# Altium PCB Velvet_Controller_v1.1_2022.PcbDoc (part 2 of 3) (continued)
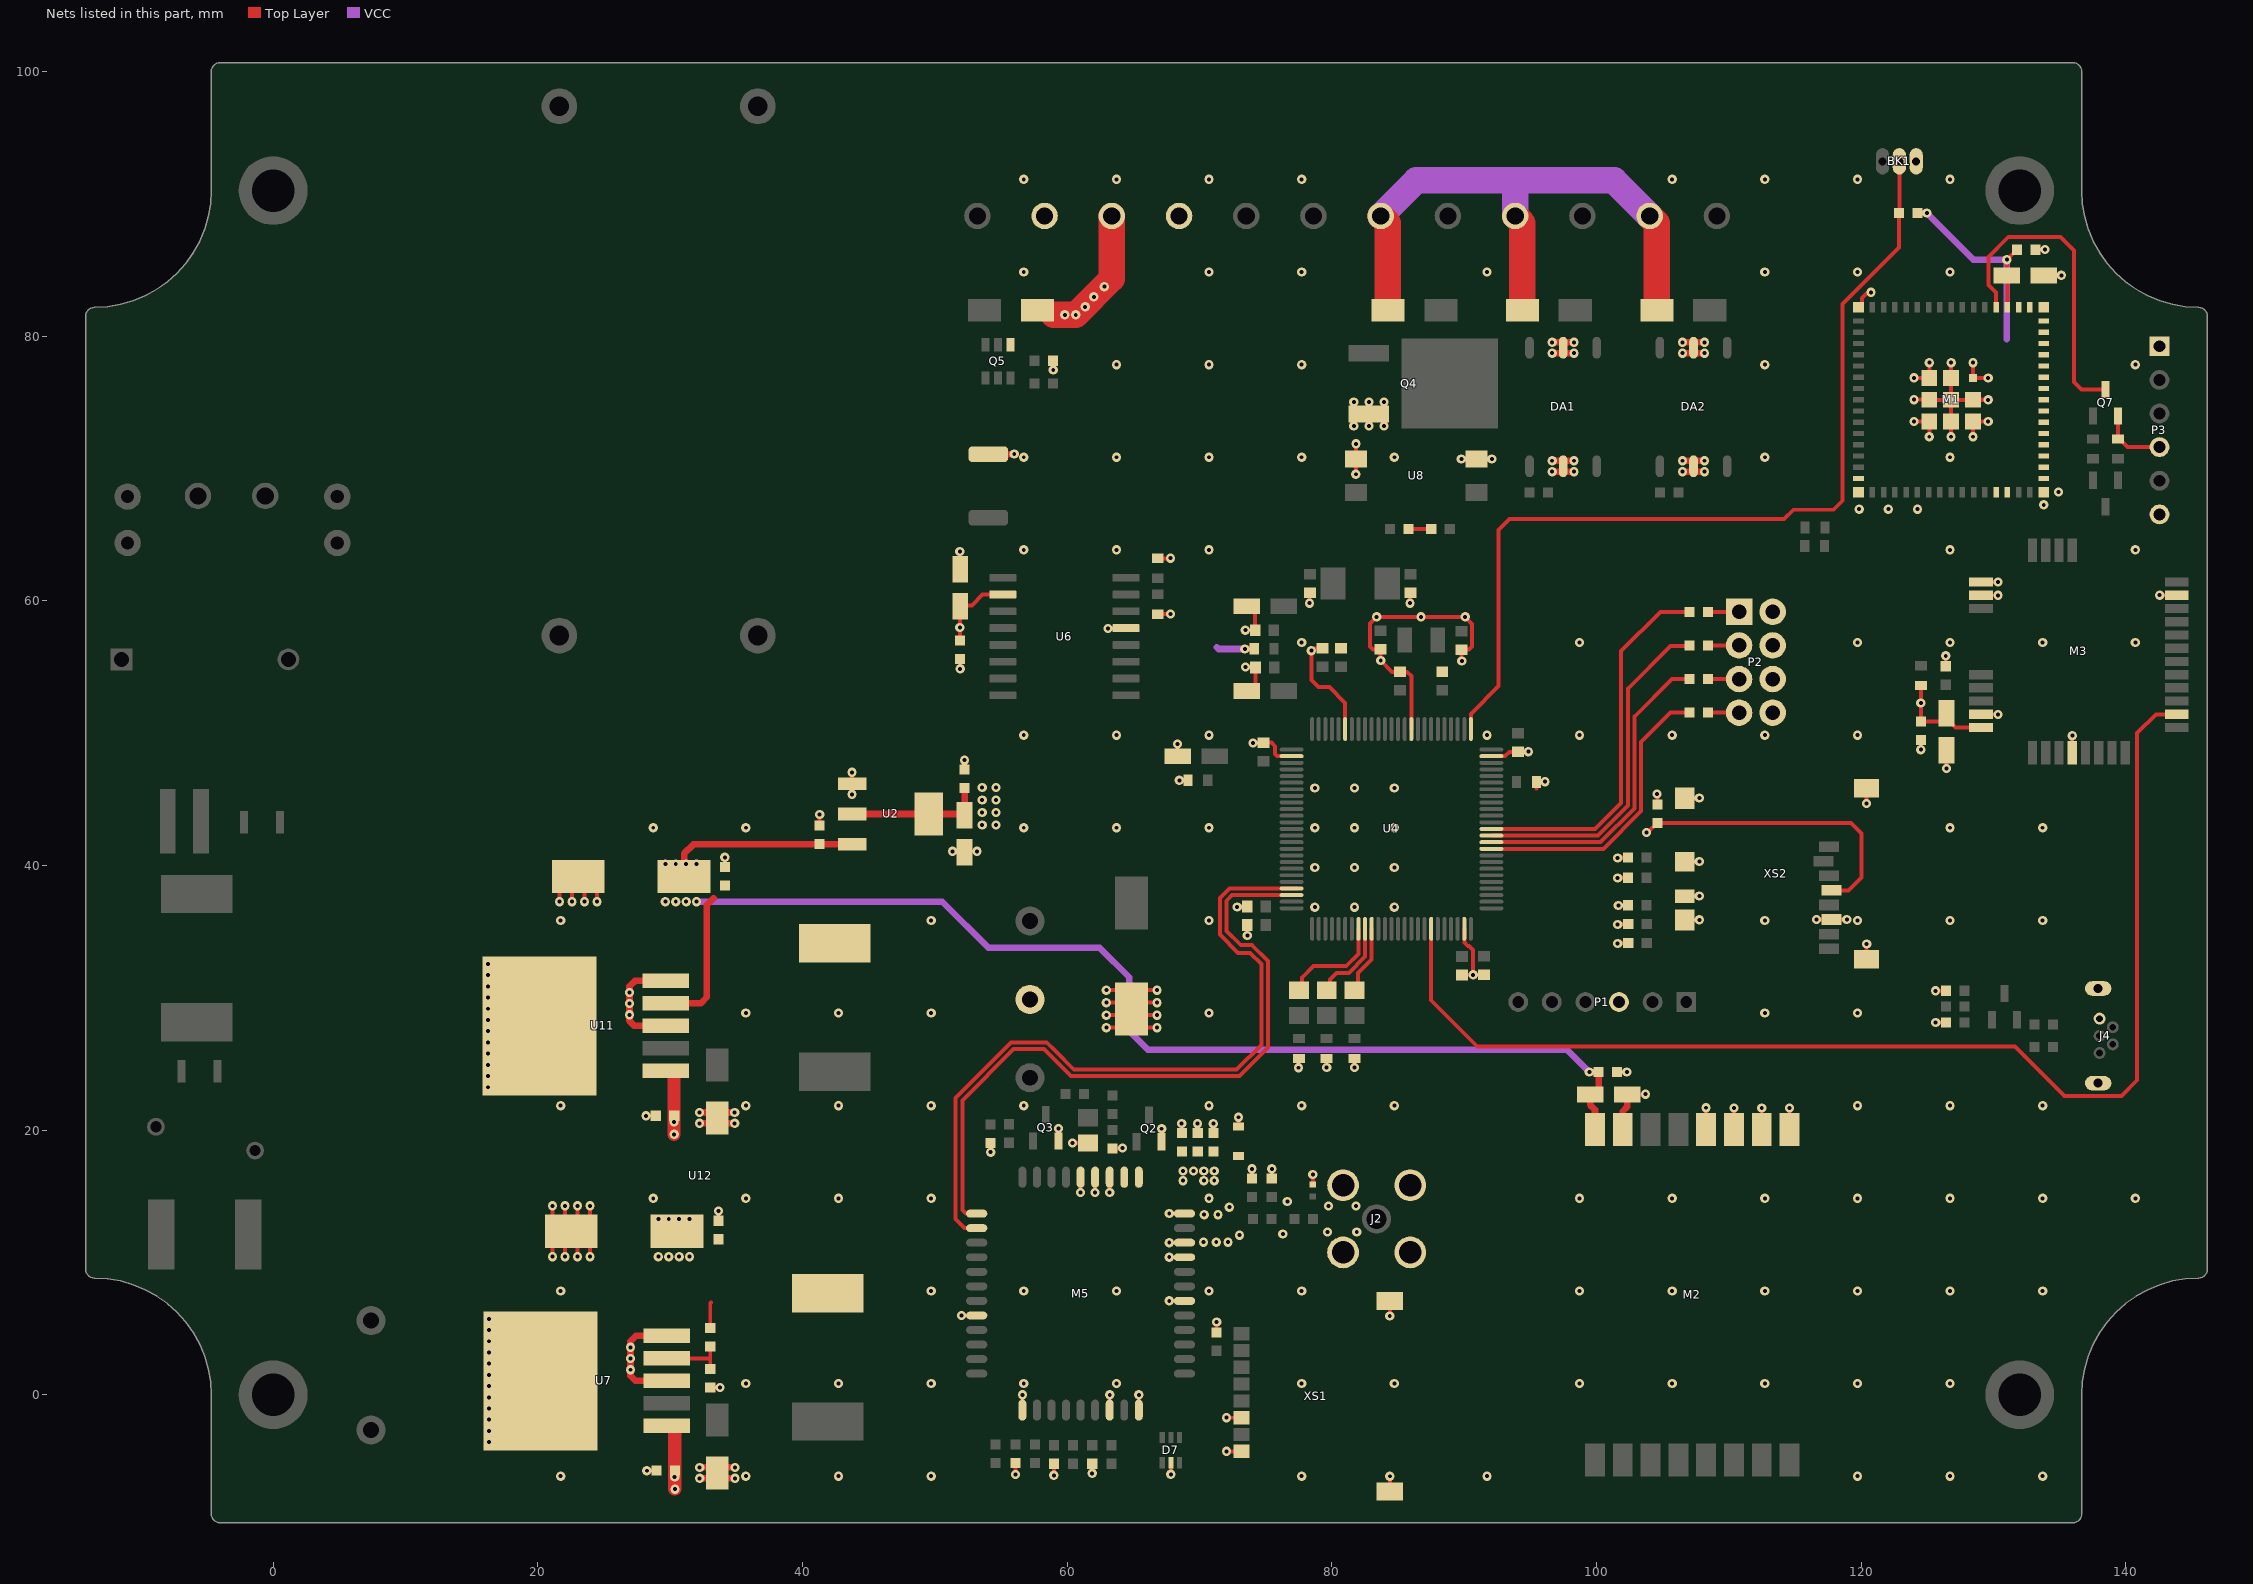
[diagram p4: the nets of this part, all layers, seen from the top]
## Part data (continued)
R6 R8 R9 R58 R59 R60 R61: library part 1, "Chip Resistor", Case/Package=0603, Case Code (Metric)=1608, Manufacturer=Panasonic, Manufacturer Part Number=ERJ-3EKF3300V, Max Operating Temperature=155°C, Max Power Dissipation=100mW, Min Operating Temperature=-55°C, Resistance=330R, Supplier Part Number 1=P330HDKR-ND, Temperature Coefficient=100ppm/°C, Tolerance=1%, Voltage Rating=75V, Case Code (Imperial)=0603, ComponentLink1Description=http://industrial.panasonic.com/www-cgi/jvcr13pz.cgi?E+PZ+3+AOA0002+ERJ6ENF3000V+7+WW, ComponentLink1URL=http://industrial.panasonic.com/www-cgi/jvcr13pz.cgi?E+PZ+3+AOA0002+ERJ6ENF3000V+7+WW, ComponentLink2Description=https://datasheet.ciiva.com/7886/aoa0000ce2-7886729.pdf, ComponentLink2URL=https://datasheet.ciiva.com/7886/aoa0000ce2-7886729.pdf, ComponentLink3Description=https://datasheet.ciiva.com/48531/aoa0000ce2-48531001.pdf, ComponentLink3URL=https://datasheet.ciiva.com/48531/aoa0000ce2-48531001.pdf, ComponentLink4Description=https://datasheet.ciiva.com/22721/426256-22721099.pdf, ComponentLink4URL=https://datasheet.ciiva.com/22721/426256-22721099.pdf, ComponentLink5Description=https://datasheet.ciiva.com/46373/1678782-46373899.pdf, ComponentLink5URL=https://datasheet.ciiva.com/46373/1678782-46373899.pdf, ComponentLink6Description=https://datasheet.ciiva.com/9117/aoa0000ce2-9117132.pdf, ComponentLink6URL=https://datasheet.ciiva.com/9117/aoa0000ce2-9117132.pdf, ComponentLink7Description=https://datasheet.ciiva.com/46373/1678782-46373900.pdf, ComponentLink7URL=https://datasheet.ciiva.com/46373/1678782-46373900.pdf, Composition="Thick Film", Contact Plating=Tin, Depth=0.8mm, Features="Automotive AEC-Q200", Height=0.022inch, Lead Free="Lead Free", Length=1.6mm, Military Standard=Not, Mount="Surface Mount", Number of Pins=2, Number of Terminations=2, Package Quantity=1, Packaging="Tape and Reel", Power Rating=100mW, Pricing 1="1=0.1, 10=0.079, 100=0.0323, 1000=0.01449, 2500=0.01258 (USD)", Radiation Hardening=No, REACH SVHC="No SVHC", Stock 1=924496, Supplier 1=Digi-Key, Termination=SMD/SMT, Voltage Rating (DC)=75V, Weight=7.1E-05oz, Width=0.8mm
R10: library part 1, "Chip Resistor", Case/Package=0603, Case Code (Metric)=1608, Manufacturer=Panasonic, Manufacturer Part Number=ERJ-3GEYJ103V, Max Operating Temperature=155°C, Max Power Dissipation=100mW, Min Operating Temperature=-55°C, Resistance="47 k", Supplier Part Number 1=P10KGDKR-ND, Temperature Coefficient=200ppm/°C, Tolerance=5%, Voltage Rating=75V, Voltage Rating (DC)=50V, Case Code (Imperial)=0603, ComponentLink1Description=https://datasheet.ciiva.com/34303/2007265-34303757.pdf, ComponentLink1URL=https://datasheet.ciiva.com/34303/2007265-34303757.pdf, ComponentLink2Description=https://datasheet.ciiva.com/11809/0900766b80f806dd-11809566.pdf, ComponentLink2URL=https://datasheet.ciiva.com/11809/0900766b80f806dd-11809566.pdf, ComponentLink3Description=https://datasheet.ciiva.com/28514/1678796-28514213.pdf, ComponentLink3URL=https://datasheet.ciiva.com/28514/1678796-28514213.pdf, ComponentLink4Description=https://datasheet.ciiva.com/30147/4aoa0000ce1-30147029.pdf, ComponentLink4URL=https://datasheet.ciiva.com/30147/4aoa0000ce1-30147029.pdf, ComponentLink5Description=https://datasheet.ciiva.com/46371/1678796-46371909.pdf, ComponentLink5URL=https://datasheet.ciiva.com/46371/1678796-46371909.pdf, ComponentLink6Description=https://datasheet.ciiva.com/24133/aoa0000ce1-37422-24133064.pdf, ComponentLink6URL=https://datasheet.ciiva.com/24133/aoa0000ce1-37422-24133064.pdf, ComponentLink7Description=https://datasheet.ciiva.com/46385/1678796-46385240.pdf, ComponentLink7URL=https://datasheet.ciiva.com/46385/1678796-46385240.pdf, ComponentLink8Description=https://datasheet.ciiva.com/17212/aoa0000ce1-17212106.pdf, ComponentLink8URL=https://datasheet.ciiva.com/17212/aoa0000ce1-17212106.pdf, ComponentLink9Description=https://datasheet.ciiva.com/9117/aoa0000ce1-9117038.pdf, ComponentLink9URL=https://datasheet.ciiva.com/9117/aoa0000ce1-9117038.pdf, ComponentLink10Description=https://datasheet.ciiva.com/16740/aoa0000ce1-16740655.pdf, ComponentLink10URL=https://datasheet.ciiva.com/16740/aoa0000ce1-16740655.pdf, ComponentLink11Description=https://datasheet.ciiva.com/48531/aoa0000ce1-48531887.pdf, ComponentLink11URL=https://datasheet.ciiva.com/48531/aoa0000ce1-48531887.pdf, Composition="Thick Film", Contact Plating=Tin, Depth=0.8mm, Features="Automotive AEC-Q200", Height=0.45mm, Lead Free="Lead Free", Length=1.6mm, Military Standard=Not, Mount="Surface Mount", Number of Terminations=2, Package Quantity=1, Packaging="Tape and Reel", Power Rating=100mW, Pricing 1="1=0.1, 10=0.054, 100=0.022, 1000=0.00988, 2500=0.00858 (USD)", REACH SVHC="No SVHC", Stock 1=10740434, Supplier 1=Digi-Key, Termination=SMD/SMT, Weight=7.1E-05oz, Width=0.8mm, Working Voltage=75V
R11 R18: library part 1, "Res Thkflm Anti-sulfurated 0603 100K Ohm 5% SMD", Case Code (Imperial)=0603, Case Code (Metric)=1608, Current Rating=1A, Manufacturer=Panasonic, Manufacturer Part Number=ERJ-U03J104V, Max Operating Temperature=155°C, Min Operating Temperature=-55°C, Package Quantity=5000, Power Rating=100mW, Resistance=12K, Resistor Type="Thick Film", Supplier Part Number 1=10-ERJ-U03J104VCT-ND, Tolerance=5%, Voltage Rating=75V, Case/Package=0603, Category="Chip SMD Resistors", ComponentLink1Description=http://industrial.panasonic.com/www-cgi/jvcr13pz.cgi?E+PZ+3+AOA0005+ERJS06J821V+7+WW?src-supplier=Mouser, ComponentLink1URL=http://industrial.panasonic.com/www-cgi/jvcr13pz.cgi?E+PZ+3+AOA0005+ERJS06J821V+7+WW?src-supplier=Mouser, ComponentLink2Description=http://datasheet.octopart.com/ERJ-U03J104V-Panasonic-datasheet-61627662.pdf?src-supplier=Newark, ComponentLink2URL=http://datasheet.octopart.com/ERJ-U03J104V-Panasonic-datasheet-61627662.pdf?src-supplier=Newark, ComponentLink3Description=http://datasheet.octopart.com/ERJ-U03J104V-Panasonic-datasheet-33006993.pdf?src-supplier=Newark, ComponentLink3URL=http://datasheet.octopart.com/ERJ-U03J104V-Panasonic-datasheet-33006993.pdf?src-supplier=Newark, ComponentLink4Description=http://datasheet.octopart.com/ERJ-U03J104V-Panasonic-datasheet-78375410.pdf, ComponentLink4URL=http://datasheet.octopart.com/ERJ-U03J104V-Panasonic-datasheet-78375410.pdf, Height=0.45mm, Length=1.6mm, Packaging="Tape and Reel", Pricing 1="1=0,10000, 10=0,07700, 100=0,02950, 1000=0,01298, 2500=0,01121 (USD)", Stock 1=1856, Supplier 1=Digi-Key, Termination=SMD/SMT, Voltage Rating (DC)=75V, Weight=7.1E-05oz, Width=0.8mm
R12 R27: library part 1, "Chip Resistor", Case/Package=0603, Case Code (Metric)=1608, Manufacturer=Panasonic, Manufacturer Part Number=ERJ-3EKF3300V, Max Operating Temperature=155°C, Max Power Dissipation=100mW, Min Operating Temperature=-55°C, Resistance=4.7k, Supplier Part Number 1=P330HDKR-ND, Temperature Coefficient=100ppm/°C, Tolerance=1%, Voltage Rating=75V, Case Code (Imperial)=0603, ComponentLink1Description=http://industrial.panasonic.com/www-cgi/jvcr13pz.cgi?E+PZ+3+AOA0002+ERJ6ENF3000V+7+WW, ComponentLink1URL=http://industrial.panasonic.com/www-cgi/jvcr13pz.cgi?E+PZ+3+AOA0002+ERJ6ENF3000V+7+WW, ComponentLink2Description=https://datasheet.ciiva.com/7886/aoa0000ce2-7886729.pdf, ComponentLink2URL=https://datasheet.ciiva.com/7886/aoa0000ce2-7886729.pdf, ComponentLink3Description=https://datasheet.ciiva.com/48531/aoa0000ce2-48531001.pdf, ComponentLink3URL=https://datasheet.ciiva.com/48531/aoa0000ce2-48531001.pdf, ComponentLink4Description=https://datasheet.ciiva.com/22721/426256-22721099.pdf, ComponentLink4URL=https://datasheet.ciiva.com/22721/426256-22721099.pdf, ComponentLink5Description=https://datasheet.ciiva.com/46373/1678782-46373899.pdf, ComponentLink5URL=https://datasheet.ciiva.com/46373/1678782-46373899.pdf, ComponentLink6Description=https://datasheet.ciiva.com/9117/aoa0000ce2-9117132.pdf, ComponentLink6URL=https://datasheet.ciiva.com/9117/aoa0000ce2-9117132.pdf, ComponentLink7Description=https://datasheet.ciiva.com/46373/1678782-46373900.pdf, ComponentLink7URL=https://datasheet.ciiva.com/46373/1678782-46373900.pdf, Composition="Thick Film", Contact Plating=Tin, Depth=0.8mm, Features="Automotive AEC-Q200", Height=0.022inch, Lead Free="Lead Free", Length=1.6mm, Military Standard=Not, Mount="Surface Mount", Number of Pins=2, Number of Terminations=2, Package Quantity=1, Packaging="Tape and Reel", Power Rating=100mW, Pricing 1="1=0.1, 10=0.079, 100=0.0323, 1000=0.01449, 2500=0.01258 (USD)", Radiation Hardening=No, REACH SVHC="No SVHC", Stock 1=924496, Supplier 1=Digi-Key, Termination=SMD/SMT, Voltage Rating (DC)=75V, Weight=7.1E-05oz, Width=0.8mm
R13: library part 1, "Chip Resistor", Case/Package=0603, Case Code (Metric)=1608, Manufacturer=Panasonic, Manufacturer Part Number=ERJ-3EKF3300V, Max Operating Temperature=155°C, Max Power Dissipation=100mW, Min Operating Temperature=-55°C, Resistance=47k, Supplier Part Number 1=P330HDKR-ND, Temperature Coefficient=100ppm/°C, Tolerance=1%, Voltage Rating=75V, Case Code (Imperial)=0603, ComponentLink1Description=http://industrial.panasonic.com/www-cgi/jvcr13pz.cgi?E+PZ+3+AOA0002+ERJ6ENF3000V+7+WW, ComponentLink1URL=http://industrial.panasonic.com/www-cgi/jvcr13pz.cgi?E+PZ+3+AOA0002+ERJ6ENF3000V+7+WW, ComponentLink2Description=https://datasheet.ciiva.com/7886/aoa0000ce2-7886729.pdf, ComponentLink2URL=https://datasheet.ciiva.com/7886/aoa0000ce2-7886729.pdf, ComponentLink3Description=https://datasheet.ciiva.com/48531/aoa0000ce2-48531001.pdf, ComponentLink3URL=https://datasheet.ciiva.com/48531/aoa0000ce2-48531001.pdf, ComponentLink4Description=https://datasheet.ciiva.com/22721/426256-22721099.pdf, ComponentLink4URL=https://datasheet.ciiva.com/22721/426256-22721099.pdf, ComponentLink5Description=https://datasheet.ciiva.com/46373/1678782-46373899.pdf, ComponentLink5URL=https://datasheet.ciiva.com/46373/1678782-46373899.pdf, ComponentLink6Description=https://datasheet.ciiva.com/9117/aoa0000ce2-9117132.pdf, ComponentLink6URL=https://datasheet.ciiva.com/9117/aoa0000ce2-9117132.pdf, ComponentLink7Description=https://datasheet.ciiva.com/46373/1678782-46373900.pdf, ComponentLink7URL=https://datasheet.ciiva.com/46373/1678782-46373900.pdf, Composition="Thick Film", Contact Plating=Tin, Depth=0.8mm, Features="Automotive AEC-Q200", Height=0.022inch, Lead Free="Lead Free", Length=1.6mm, Military Standard=Not, Mount="Surface Mount", Number of Pins=2, Number of Terminations=2, Package Quantity=1, Packaging="Tape and Reel", Power Rating=100mW, Pricing 1="1=0.1, 10=0.079, 100=0.0323, 1000=0.01449, 2500=0.01258 (USD)", Radiation Hardening=No, REACH SVHC="No SVHC", Stock 1=924496, Supplier 1=Digi-Key, Termination=SMD/SMT, Voltage Rating (DC)=75V, Weight=7.1E-05oz, Width=0.8mm
R14: library part 1, "Chip Resistor", Case/Package=0603, Case Code (Metric)=1608, Manufacturer=Panasonic, Manufacturer Part Number=ERJ-3GEYJ222V, Max Operating Temperature=155°C, Max Power Dissipation=100mW, Min Operating Temperature=-55°C, Resistance=300, Supplier Part Number 1=P2.2KGDKR-ND, Temperature Coefficient=200ppm/°C, Tolerance=5%, Voltage Rating=75V, Voltage Rating (DC)=50V, Case Code (Imperial)=0603, ComponentLink1Description=https://datasheet.ciiva.com/11821/0900766b80f806dd-11821453.pdf, ComponentLink1URL=https://datasheet.ciiva.com/11821/0900766b80f806dd-11821453.pdf, ComponentLink2Description=https://datasheet.ciiva.com/34303/1988639-34303614.pdf, ComponentLink2URL=https://datasheet.ciiva.com/34303/1988639-34303614.pdf, ComponentLink3Description=https://datasheet.ciiva.com/16760/70255313-16760341.pdf, ComponentLink3URL=https://datasheet.ciiva.com/16760/70255313-16760341.pdf, ComponentLink4Description=https://datasheet.ciiva.com/9117/aoa0000ce1-9117127.pdf, ComponentLink4URL=https://datasheet.ciiva.com/9117/aoa0000ce1-9117127.pdf, ComponentLink5Description=https://datasheet.ciiva.com/46380/1500035-46380411.pdf, ComponentLink5URL=https://datasheet.ciiva.com/46380/1500035-46380411.pdf, ComponentLink6Description=https://datasheet.ciiva.com/16765/70255313-16765244.pdf, ComponentLink6URL=https://datasheet.ciiva.com/16765/70255313-16765244.pdf, ComponentLink7Description=https://datasheet.ciiva.com/16199/aoa0000ce1-16199902.pdf, ComponentLink7URL=https://datasheet.ciiva.com/16199/aoa0000ce1-16199902.pdf, ComponentLink8Description=https://datasheet.ciiva.com/16853/aoa0000ce1-16853407.pdf, ComponentLink8URL=https://datasheet.ciiva.com/16853/aoa0000ce1-16853407.pdf, ComponentLink9Description=https://datasheet.ciiva.com/22758/1500035-22758223.pdf, ComponentLink9URL=https://datasheet.ciiva.com/22758/1500035-22758223.pdf, ComponentLink10Description=https://datasheet.ciiva.com/28584/1678796-28584095.pdf, ComponentLink10URL=https://datasheet.ciiva.com/28584/1678796-28584095.pdf, Composition="Thick Film", Contact Plating=Tin, Depth=0.8mm, Features="Automotive AEC-Q200", Height=0.45mm, Lead Free="Lead Free", Length=1.6mm, Military Standard=Not, Mount="Surface Mount", Number of Terminations=2, Package Quantity=1, Packaging="Tape and Reel", Power Rating=100mW, Pricing 1="1=0.1, 10=0.054, 100=0.022, 1000=0.00988, 2500=0.00858 (USD)", Radiation Hardening=No, REACH SVHC="No SVHC", Stock 1=1578287, Supplier 1=Digi-Key, Termination=SMD/SMT, Width=0.8mm, Working Voltage=75V
R15: library part 1, "Chip Resistor", Case/Package=0603, Case Code (Metric)=1608, Manufacturer=Panasonic, Manufacturer Part Number=ERJ-3GEYJ222V, Max Operating Temperature=155°C, Max Power Dissipation=100mW, Min Operating Temperature=-55°C, Resistance=20, Supplier Part Number 1=P2.2KGDKR-ND, Temperature Coefficient=200ppm/°C, Tolerance=5%, Voltage Rating=75V, Voltage Rating (DC)=50V, Case Code (Imperial)=0603, ComponentLink1Description=https://datasheet.ciiva.com/11821/0900766b80f806dd-11821453.pdf, ComponentLink1URL=https://datasheet.ciiva.com/11821/0900766b80f806dd-11821453.pdf, ComponentLink2Description=https://datasheet.ciiva.com/34303/1988639-34303614.pdf, ComponentLink2URL=https://datasheet.ciiva.com/34303/1988639-34303614.pdf, ComponentLink3Description=https://datasheet.ciiva.com/16760/70255313-16760341.pdf, ComponentLink3URL=https://datasheet.ciiva.com/16760/70255313-16760341.pdf, ComponentLink4Description=https://datasheet.ciiva.com/9117/aoa0000ce1-9117127.pdf, ComponentLink4URL=https://datasheet.ciiva.com/9117/aoa0000ce1-9117127.pdf, ComponentLink5Description=https://datasheet.ciiva.com/46380/1500035-46380411.pdf, ComponentLink5URL=https://datasheet.ciiva.com/46380/1500035-46380411.pdf, ComponentLink6Description=https://datasheet.ciiva.com/16765/70255313-16765244.pdf, ComponentLink6URL=https://datasheet.ciiva.com/16765/70255313-16765244.pdf, ComponentLink7Description=https://datasheet.ciiva.com/16199/aoa0000ce1-16199902.pdf, ComponentLink7URL=https://datasheet.ciiva.com/16199/aoa0000ce1-16199902.pdf, ComponentLink8Description=https://datasheet.ciiva.com/16853/aoa0000ce1-16853407.pdf, ComponentLink8URL=https://datasheet.ciiva.com/16853/aoa0000ce1-16853407.pdf, ComponentLink9Description=https://datasheet.ciiva.com/22758/1500035-22758223.pdf, ComponentLink9URL=https://datasheet.ciiva.com/22758/1500035-22758223.pdf, ComponentLink10Description=https://datasheet.ciiva.com/28584/1678796-28584095.pdf, ComponentLink10URL=https://datasheet.ciiva.com/28584/1678796-28584095.pdf, Composition="Thick Film", Contact Plating=Tin, Depth=0.8mm, Features="Automotive AEC-Q200", Height=0.45mm, Lead Free="Lead Free", Length=1.6mm, Military Standard=Not, Mount="Surface Mount", Number of Terminations=2, Package Quantity=1, Packaging="Tape and Reel", Power Rating=100mW, Pricing 1="1=0.1, 10=0.054, 100=0.022, 1000=0.00988, 2500=0.00858 (USD)", Radiation Hardening=No, REACH SVHC="No SVHC", Stock 1=1578287, Supplier 1=Digi-Key, Termination=SMD/SMT, Width=0.8mm, Working Voltage=75V
R16 R17: library part 1, "Chip Resistor", Case/Package=0603, Case Code (Metric)=1608, Manufacturer=Panasonic, Manufacturer Part Number=ERJ-3GEY0R00V, Max Operating Temperature=155°C, Max Power Dissipation=100mW, Min Operating Temperature=-55°C, Resistance=0R, Supplier Part Number 1=P0.0GDKR-ND, Temperature Coefficient=600ppm/°C, Tolerance=0%, Voltage Rating=75V, Voltage Rating (DC)=50V, Case Code (Imperial)=0603, ComponentLink1Description=https://datasheet.ciiva.com/27055/1935748-27055113.pdf, ComponentLink1URL=https://datasheet.ciiva.com/27055/1935748-27055113.pdf, ComponentLink2Description=https://datasheet.ciiva.com/11808/0900766b80f806dd-11808207.pdf, ComponentLink2URL=https://datasheet.ciiva.com/11808/0900766b80f806dd-11808207.pdf, ComponentLink3Description=https://datasheet.ciiva.com/48532/aoa0000ce1-48532165.pdf, ComponentLink3URL=https://datasheet.ciiva.com/48532/aoa0000ce1-48532165.pdf, ComponentLink4Description=https://datasheet.ciiva.com/43460/1678796-43460647.pdf, ComponentLink4URL=https://datasheet.ciiva.com/43460/1678796-43460647.pdf, ComponentLink5Description=https://datasheet.ciiva.com/28695/1678796-28695833.pdf, ComponentLink5URL=https://datasheet.ciiva.com/28695/1678796-28695833.pdf, ComponentLink6Description=https://datasheet.ciiva.com/5959/1678796-5959707.pdf, ComponentLink6URL=https://datasheet.ciiva.com/5959/1678796-5959707.pdf, ComponentLink7Description=https://datasheet.ciiva.com/16834/aoa0000ce1-16834828.pdf, ComponentLink7URL=https://datasheet.ciiva.com/16834/aoa0000ce1-16834828.pdf, ComponentLink8Description=https://datasheet.ciiva.com/17215/aoa0000ce1-17215388.pdf, ComponentLink8URL=https://datasheet.ciiva.com/17215/aoa0000ce1-17215388.pdf, ComponentLink9Description=https://datasheet.ciiva.com/46377/1678796-46377868.pdf, ComponentLink9URL=https://datasheet.ciiva.com/46377/1678796-46377868.pdf, ComponentLink10Description=https://datasheet.ciiva.com/30199/4aoa0000ce1-30199822.pdf, ComponentLink10URL=https://datasheet.ciiva.com/30199/4aoa0000ce1-30199822.pdf, ComponentLink11Description=https://datasheet.ciiva.com/9198/aoa0000ce1-9198975.pdf, ComponentLink11URL=https://datasheet.ciiva.com/9198/aoa0000ce1-9198975.pdf, ComponentLink12Description=https://datasheet.ciiva.com/16758/70255313-16758527.pdf, ComponentLink12URL=https://datasheet.ciiva.com/16758/70255313-16758527.pdf, Composition="Thick Film", Contact Plating=Tin, Depth=0.8mm, Features="Automotive AEC-Q200", Height=0.45mm, Lead Free="Lead Free", Length=1.6mm, Military Standard=Not, Mount="Surface Mount", Number of Terminations=2, Package Quantity=1, Packaging="Tape and Reel", Power Rating=100mW, Pricing 1="1=0.1, 10=0.053, 25=0.038, 50=0.029, 100=0.0214, 250=0.01632, 500=0.01306, 1000=0.00962 (USD)", Radiation Hardening=No, REACH SVHC="No SVHC", Stock 1=19868266, Supplier 1=Digi-Key, Termination=SMD/SMT, Width=0.031inch
R19 R20: library part 1, "Chip Resistor", Case Code (Imperial)=0603, Case Code (Metric)=1608, Manufacturer=Panasonic, Manufacturer Part Number=ERJ-3EKF3300V, Max Operating Temperature=155°C, Max Power Dissipation=100mW, Min Operating Temperature=-55°C, Resistance=0, Supplier Part Number 1=P330HDKR-ND, Temperature Coefficient=100ppm/°C, Tolerance=1%, Voltage Rating=75V, Case/Package=0603, ComponentLink1Description=http://industrial.panasonic.com/www-cgi/jvcr13pz.cgi?E+PZ+3+AOA0002+ERJ6ENF3000V+7+WW, ComponentLink1URL=http://industrial.panasonic.com/www-cgi/jvcr13pz.cgi?E+PZ+3+AOA0002+ERJ6ENF3000V+7+WW, ComponentLink2Description=https://datasheet.ciiva.com/7886/aoa0000ce2-7886729.pdf, ComponentLink2URL=https://datasheet.ciiva.com/7886/aoa0000ce2-7886729.pdf, ComponentLink3Description=https://datasheet.ciiva.com/48531/aoa0000ce2-48531001.pdf, ComponentLink3URL=https://datasheet.ciiva.com/48531/aoa0000ce2-48531001.pdf, ComponentLink4Description=https://datasheet.ciiva.com/22721/426256-22721099.pdf, ComponentLink4URL=https://datasheet.ciiva.com/22721/426256-22721099.pdf, ComponentLink5Description=https://datasheet.ciiva.com/46373/1678782-46373899.pdf, ComponentLink5URL=https://datasheet.ciiva.com/46373/1678782-46373899.pdf, ComponentLink6Description=https://datasheet.ciiva.com/9117/aoa0000ce2-9117132.pdf, ComponentLink6URL=https://datasheet.ciiva.com/9117/aoa0000ce2-9117132.pdf, ComponentLink7Description=https://datasheet.ciiva.com/46373/1678782-46373900.pdf, ComponentLink7URL=https://datasheet.ciiva.com/46373/1678782-46373900.pdf, Composition="Thick Film", Contact Plating=Tin, Depth=0.8mm, Features="Automotive AEC-Q200", Height=0.022inch, Lead Free="Lead Free", Length=1.6mm, Military Standard=Not, Mount="Surface Mount", Number of Pins=2, Number of Terminations=2, Package Quantity=1, Packaging="Tape and Reel", Power Rating=100mW, Pricing 1="1=0.1, 10=0.079, 100=0.0323, 1000=0.01449, 2500=0.01258 (USD)", Radiation Hardening=No, REACH SVHC="No SVHC", Stock 1=924496, Supplier 1=Digi-Key, Termination=SMD/SMT, Voltage Rating (DC)=75V, Weight=7.1E-05oz, Width=0.8mm
R21 R38: library part 1, "Chip Resistor", Case/Package=0603, Case Code (Metric)=1608, Manufacturer=Panasonic, Manufacturer Part Number=ERJ-3GEYJ222V, Max Operating Temperature=155°C, Max Power Dissipation=100mW, Min Operating Temperature=-55°C, Resistance=2.2k, Supplier Part Number 1=P2.2KGDKR-ND, Temperature Coefficient=200ppm/°C, Tolerance=5%, Voltage Rating=75V, Voltage Rating (DC)=50V, Case Code (Imperial)=0603, ComponentLink1Description=https://datasheet.ciiva.com/11821/0900766b80f806dd-11821453.pdf, ComponentLink1URL=https://datasheet.ciiva.com/11821/0900766b80f806dd-11821453.pdf, ComponentLink2Description=https://datasheet.ciiva.com/34303/1988639-34303614.pdf, ComponentLink2URL=https://datasheet.ciiva.com/34303/1988639-34303614.pdf, ComponentLink3Description=https://datasheet.ciiva.com/16760/70255313-16760341.pdf, ComponentLink3URL=https://datasheet.ciiva.com/16760/70255313-16760341.pdf, ComponentLink4Description=https://datasheet.ciiva.com/9117/aoa0000ce1-9117127.pdf, ComponentLink4URL=https://datasheet.ciiva.com/9117/aoa0000ce1-9117127.pdf, ComponentLink5Description=https://datasheet.ciiva.com/46380/1500035-46380411.pdf, ComponentLink5URL=https://datasheet.ciiva.com/46380/1500035-46380411.pdf, ComponentLink6Description=https://datasheet.ciiva.com/16765/70255313-16765244.pdf, ComponentLink6URL=https://datasheet.ciiva.com/16765/70255313-16765244.pdf, ComponentLink7Description=https://datasheet.ciiva.com/16199/aoa0000ce1-16199902.pdf, ComponentLink7URL=https://datasheet.ciiva.com/16199/aoa0000ce1-16199902.pdf, ComponentLink8Description=https://datasheet.ciiva.com/16853/aoa0000ce1-16853407.pdf, ComponentLink8URL=https://datasheet.ciiva.com/16853/aoa0000ce1-16853407.pdf, ComponentLink9Description=https://datasheet.ciiva.com/22758/1500035-22758223.pdf, ComponentLink9URL=https://datasheet.ciiva.com/22758/1500035-22758223.pdf, ComponentLink10Description=https://datasheet.ciiva.com/28584/1678796-28584095.pdf, ComponentLink10URL=https://datasheet.ciiva.com/28584/1678796-28584095.pdf, Composition="Thick Film", Contact Plating=Tin, Depth=0.8mm, Features="Automotive AEC-Q200", Height=0.45mm, Lead Free="Lead Free", Length=1.6mm, Military Standard=Not, Mount="Surface Mount", Number of Terminations=2, Package Quantity=1, Packaging="Tape and Reel", Power Rating=100mW, Pricing 1="1=0.1, 10=0.054, 100=0.022, 1000=0.00988, 2500=0.00858 (USD)", Radiation Hardening=No, REACH SVHC="No SVHC", Stock 1=1578287, Supplier 1=Digi-Key, Termination=SMD/SMT, Width=0.8mm, Working Voltage=75V
R22: library part 1, "Chip Resistor", Case/Package=0603, Case Code (Metric)=1608, Manufacturer=Panasonic, Manufacturer Part Number=ERJ-3GEYJ102V, Max Operating Temperature=155°C, Max Power Dissipation=100mW, Min Operating Temperature=-55°C, Resistance=1k, Supplier Part Number 1=P1.0KGDKR-ND, Temperature Coefficient=200ppm/°C, Tolerance=5%, Voltage Rating=75V, Voltage Rating (DC)=50V, Case Code (Imperial)=0603, ComponentLink1Description=https://datasheet.ciiva.com/11808/0900766b80f806dd-11808320.pdf, ComponentLink1URL=https://datasheet.ciiva.com/11808/0900766b80f806dd-11808320.pdf, ComponentLink2Description=https://datasheet.ciiva.com/34303/1988487-34303608.pdf, ComponentLink2URL=https://datasheet.ciiva.com/34303/1988487-34303608.pdf, ComponentLink3Description=https://datasheet.ciiva.com/16740/aoa0000ce1-16740759.pdf, ComponentLink3URL=https://datasheet.ciiva.com/16740/aoa0000ce1-16740759.pdf, ComponentLink4Description=https://datasheet.ciiva.com/30224/4aoa0000ce1-30224167.pdf, ComponentLink4URL=https://datasheet.ciiva.com/30224/4aoa0000ce1-30224167.pdf, ComponentLink5Description=https://datasheet.ciiva.com/24159/aoa0000ce1-37422-24159481.pdf, ComponentLink5URL=https://datasheet.ciiva.com/24159/aoa0000ce1-37422-24159481.pdf, ComponentLink6Description=https://datasheet.ciiva.com/16787/70255313-16787626.pdf, ComponentLink6URL=https://datasheet.ciiva.com/16787/70255313-16787626.pdf, ComponentLink7Description=https://datasheet.ciiva.com/43460/1678796-43460714.pdf, ComponentLink7URL=https://datasheet.ciiva.com/43460/1678796-43460714.pdf, ComponentLink8Description=https://datasheet.ciiva.com/46451/1678796-46451226.pdf, ComponentLink8URL=https://datasheet.ciiva.com/46451/1678796-46451226.pdf, ComponentLink9Description=https://datasheet.ciiva.com/9117/aoa0000ce1-9117035.pdf, ComponentLink9URL=https://datasheet.ciiva.com/9117/aoa0000ce1-9117035.pdf, ComponentLink10Description=https://datasheet.ciiva.com/46386/1678796-46386459.pdf, ComponentLink10URL=https://datasheet.ciiva.com/46386/1678796-46386459.pdf, ComponentLink11Description=https://datasheet.ciiva.com/48532/aoa0000ce1-48532155.pdf, ComponentLink11URL=https://datasheet.ciiva.com/48532/aoa0000ce1-48532155.pdf, ComponentLink12Description=https://datasheet.ciiva.com/22783/1678796-22783822.pdf, ComponentLink12URL=https://datasheet.ciiva.com/22783/1678796-22783822.pdf, ComponentLink13Description=https://datasheet.ciiva.com/28532/1678796-28532126.pdf, ComponentLink13URL=https://datasheet.ciiva.com/28532/1678796-28532126.pdf, ComponentLink14Description=https://datasheet.ciiva.com/46371/1678796-46371934.pdf, ComponentLink14URL=https://datasheet.ciiva.com/46371/1678796-46371934.pdf, Composition="Thick Film", Contact Plating=Tin, Depth=0.8mm, Features="Automotive AEC-Q200", Height=0.45mm, Lead Free="Lead Free", Length=1.6mm, Military Standard=Not, Mount="Surface Mount", Number of Terminations=2, Package Quantity=1, Packaging="Tape and Reel", Power Rating=100mW, Pricing 1="1=0.1, 10=0.054, 100=0.022, 1000=0.00988, 2500=0.00858 (USD)", Radiation Hardening=No, REACH SVHC="No SVHC", Stock 1=2655329, Supplier 1=Digi-Key, Termination=SMD/SMT, Weight=7.1E-05oz, Width=0.031inch, Working Voltage=75V
R23: library part 1, "Chip Resistor", Case/Package=0603, Case Code (Metric)=1608, Manufacturer=Panasonic, Manufacturer Part Number=ERJ-3GEYJ222V, Max Operating Temperature=155°C, Max Power Dissipation=100mW, Min Operating Temperature=-55°C, Resistance=100, Supplier Part Number 1=P2.2KGDKR-ND, Temperature Coefficient=200ppm/°C, Tolerance=5%, Voltage Rating=75V, Voltage Rating (DC)=50V, Case Code (Imperial)=0603, ComponentLink1Description=https://datasheet.ciiva.com/11821/0900766b80f806dd-11821453.pdf, ComponentLink1URL=https://datasheet.ciiva.com/11821/0900766b80f806dd-11821453.pdf, ComponentLink2Description=https://datasheet.ciiva.com/34303/1988639-34303614.pdf, ComponentLink2URL=https://datasheet.ciiva.com/34303/1988639-34303614.pdf, ComponentLink3Description=https://datasheet.ciiva.com/16760/70255313-16760341.pdf, ComponentLink3URL=https://datasheet.ciiva.com/16760/70255313-16760341.pdf, ComponentLink4Description=https://datasheet.ciiva.com/9117/aoa0000ce1-9117127.pdf, ComponentLink4URL=https://datasheet.ciiva.com/9117/aoa0000ce1-9117127.pdf, ComponentLink5Description=https://datasheet.ciiva.com/46380/1500035-46380411.pdf, ComponentLink5URL=https://datasheet.ciiva.com/46380/1500035-46380411.pdf, ComponentLink6Description=https://datasheet.ciiva.com/16765/70255313-16765244.pdf, ComponentLink6URL=https://datasheet.ciiva.com/16765/70255313-16765244.pdf, ComponentLink7Description=https://datasheet.ciiva.com/16199/aoa0000ce1-16199902.pdf, ComponentLink7URL=https://datasheet.ciiva.com/16199/aoa0000ce1-16199902.pdf, ComponentLink8Description=https://datasheet.ciiva.com/16853/aoa0000ce1-16853407.pdf, ComponentLink8URL=https://datasheet.ciiva.com/16853/aoa0000ce1-16853407.pdf, ComponentLink9Description=https://datasheet.ciiva.com/22758/1500035-22758223.pdf, ComponentLink9URL=https://datasheet.ciiva.com/22758/1500035-22758223.pdf, ComponentLink10Description=https://datasheet.ciiva.com/28584/1678796-28584095.pdf, ComponentLink10URL=https://datasheet.ciiva.com/28584/1678796-28584095.pdf, Composition="Thick Film", Contact Plating=Tin, Depth=0.8mm, Features="Automotive AEC-Q200", Height=0.45mm, Lead Free="Lead Free", Length=1.6mm, Military Standard=Not, Mount="Surface Mount", Number of Terminations=2, Package Quantity=1, Packaging="Tape and Reel", Power Rating=100mW, Pricing 1="1=0.1, 10=0.054, 100=0.022, 1000=0.00988, 2500=0.00858 (USD)", Radiation Hardening=No, REACH SVHC="No SVHC", Stock 1=1578287, Supplier 1=Digi-Key, Termination=SMD/SMT, Width=0.8mm, Working Voltage=75V
R24: library part 1, "Chip Resistor", Case/Package=0603, Case Code (Metric)=1608, Manufacturer=Panasonic, Manufacturer Part Number=ERJ-3GEYJ222V, Max Operating Temperature=155°C, Max Power Dissipation=100mW, Min Operating Temperature=-55°C, Resistance=10k, Supplier Part Number 1=P2.2KGDKR-ND, Temperature Coefficient=200ppm/°C, Tolerance=5%, Voltage Rating=75V, Voltage Rating (DC)=50V, Case Code (Imperial)=0603, ComponentLink1Description=https://datasheet.ciiva.com/11821/0900766b80f806dd-11821453.pdf, ComponentLink1URL=https://datasheet.ciiva.com/11821/0900766b80f806dd-11821453.pdf, ComponentLink2Description=https://datasheet.ciiva.com/34303/1988639-34303614.pdf, ComponentLink2URL=https://datasheet.ciiva.com/34303/1988639-34303614.pdf, ComponentLink3Description=https://datasheet.ciiva.com/16760/70255313-16760341.pdf, ComponentLink3URL=https://datasheet.ciiva.com/16760/70255313-16760341.pdf, ComponentLink4Description=https://datasheet.ciiva.com/9117/aoa0000ce1-9117127.pdf, ComponentLink4URL=https://datasheet.ciiva.com/9117/aoa0000ce1-9117127.pdf, ComponentLink5Description=https://datasheet.ciiva.com/46380/1500035-46380411.pdf, ComponentLink5URL=https://datasheet.ciiva.com/46380/1500035-46380411.pdf, ComponentLink6Description=https://datasheet.ciiva.com/16765/70255313-16765244.pdf, ComponentLink6URL=https://datasheet.ciiva.com/16765/70255313-16765244.pdf, ComponentLink7Description=https://datasheet.ciiva.com/16199/aoa0000ce1-16199902.pdf, ComponentLink7URL=https://datasheet.ciiva.com/16199/aoa0000ce1-16199902.pdf, ComponentLink8Description=https://datasheet.ciiva.com/16853/aoa0000ce1-16853407.pdf, ComponentLink8URL=https://datasheet.ciiva.com/16853/aoa0000ce1-16853407.pdf, ComponentLink9Description=https://datasheet.ciiva.com/22758/1500035-22758223.pdf, ComponentLink9URL=https://datasheet.ciiva.com/22758/1500035-22758223.pdf, ComponentLink10Description=https://datasheet.ciiva.com/28584/1678796-28584095.pdf, ComponentLink10URL=https://datasheet.ciiva.com/28584/1678796-28584095.pdf, Composition="Thick Film", Contact Plating=Tin, Depth=0.8mm, Features="Automotive AEC-Q200", Height=0.45mm, Lead Free="Lead Free", Length=1.6mm, Military Standard=Not, Mount="Surface Mount", Number of Terminations=2, Package Quantity=1, Packaging="Tape and Reel", Power Rating=100mW, Pricing 1="1=0.1, 10=0.054, 100=0.022, 1000=0.00988, 2500=0.00858 (USD)", Radiation Hardening=No, REACH SVHC="No SVHC", Stock 1=1578287, Supplier 1=Digi-Key, Termination=SMD/SMT, Width=0.8mm, Working Voltage=75V
R28 R29 R30: library part 1, "Chip Resistor", Case/Package=0603, Case Code (Metric)=1608, Manufacturer=Panasonic, Manufacturer Part Number=ERJ-3EKF3300V, Max Operating Temperature=155°C, Max Power Dissipation=100mW, Min Operating Temperature=-55°C, Resistance=51, Supplier Part Number 1=P330HDKR-ND, Temperature Coefficient=100ppm/°C, Tolerance=1%, Voltage Rating=75V, Case Code (Imperial)=0603, ComponentLink1Description=http://industrial.panasonic.com/www-cgi/jvcr13pz.cgi?E+PZ+3+AOA0002+ERJ6ENF3000V+7+WW, ComponentLink1URL=http://industrial.panasonic.com/www-cgi/jvcr13pz.cgi?E+PZ+3+AOA0002+ERJ6ENF3000V+7+WW, ComponentLink2Description=https://datasheet.ciiva.com/7886/aoa0000ce2-7886729.pdf, ComponentLink2URL=https://datasheet.ciiva.com/7886/aoa0000ce2-7886729.pdf, ComponentLink3Description=https://datasheet.ciiva.com/48531/aoa0000ce2-48531001.pdf, ComponentLink3URL=https://datasheet.ciiva.com/48531/aoa0000ce2-48531001.pdf, ComponentLink4Description=https://datasheet.ciiva.com/22721/426256-22721099.pdf, ComponentLink4URL=https://datasheet.ciiva.com/22721/426256-22721099.pdf, ComponentLink5Description=https://datasheet.ciiva.com/46373/1678782-46373899.pdf, ComponentLink5URL=https://datasheet.ciiva.com/46373/1678782-46373899.pdf, ComponentLink6Description=https://datasheet.ciiva.com/9117/aoa0000ce2-9117132.pdf, ComponentLink6URL=https://datasheet.ciiva.com/9117/aoa0000ce2-9117132.pdf, ComponentLink7Description=https://datasheet.ciiva.com/46373/1678782-46373900.pdf, ComponentLink7URL=https://datasheet.ciiva.com/46373/1678782-46373900.pdf, Composition="Thick Film", Contact Plating=Tin, Depth=0.8mm, Features="Automotive AEC-Q200", Height=0.022inch, Lead Free="Lead Free", Length=1.6mm, Military Standard=Not, Mount="Surface Mount", Number of Pins=2, Number of Terminations=2, Package Quantity=1, Packaging="Tape and Reel", Power Rating=100mW, Pricing 1="1=0.1, 10=0.079, 100=0.0323, 1000=0.01449, 2500=0.01258 (USD)", Radiation Hardening=No, REACH SVHC="No SVHC", Stock 1=924496, Supplier 1=Digi-Key, Termination=SMD/SMT, Voltage Rating (DC)=75V, Weight=7.1E-05oz, Width=0.8mm
R37: library part 1, "Chip Resistor", Case/Package=0603, Case Code (Metric)=1608, Manufacturer=Panasonic, Manufacturer Part Number=ERJ-3EKF1501V, Max Operating Temperature=155°C, Max Power Dissipation=100mW, Min Operating Temperature=-55°C, Resistance=1.5k, Supplier Part Number 1=P1.50KHDKR-ND, Temperature Coefficient=100ppm/°C, Tolerance=1%, Voltage Rating=75V, Case Code (Imperial)=0603, ComponentLink1Description=https://datasheet.ciiva.com/34303/1987644-34303574.pdf, ComponentLink1URL=https://datasheet.ciiva.com/34303/1987644-34303574.pdf, ComponentLink2Description=https://datasheet.ciiva.com/7830/426256-7830981.pdf, ComponentLink2URL=https://datasheet.ciiva.com/7830/426256-7830981.pdf, ComponentLink3Description=https://datasheet.ciiva.com/9198/aoa0000ce2-9198086.pdf, ComponentLink3URL=https://datasheet.ciiva.com/9198/aoa0000ce2-9198086.pdf, ComponentLink4Description=https://datasheet.ciiva.com/48530/aoa0000ce2-48530982.pdf, ComponentLink4URL=https://datasheet.ciiva.com/48530/aoa0000ce2-48530982.pdf, ComponentLink5Description=https://datasheet.ciiva.com/16511/aoa0000ce2-16511927.pdf, ComponentLink5URL=https://datasheet.ciiva.com/16511/aoa0000ce2-16511927.pdf, ComponentLink6Description=https://datasheet.ciiva.com/17214/aoa0000ce2-17214761.pdf, ComponentLink6URL=https://datasheet.ciiva.com/17214/aoa0000ce2-17214761.pdf, ComponentLink7Description=https://datasheet.ciiva.com/28514/1678782-28514202.pdf, ComponentLink7URL=https://datasheet.ciiva.com/28514/1678782-28514202.pdf, ComponentLink8Description=https://datasheet.ciiva.com/7830/aoa0000ce2-7830731.pdf, ComponentLink8URL=https://datasheet.ciiva.com/7830/aoa0000ce2-7830731.pdf, ComponentLink9Description=https://datasheet.ciiva.com/16449/aoa0000ce2-16449406.pdf, ComponentLink9URL=https://datasheet.ciiva.com/16449/aoa0000ce2-16449406.pdf, ComponentLink10Description=https://datasheet.ciiva.com/16767/70260748-16767326.pdf, ComponentLink10URL=https://datasheet.ciiva.com/16767/70260748-16767326.pdf, ComponentLink11Description=https://datasheet.ciiva.com/16759/70260748-16759967.pdf, ComponentLink11URL=https://datasheet.ciiva.com/16759/70260748-16759967.pdf, ComponentLink12Description=https://datasheet.ciiva.com/24124/aoa0000ce2-24124271.pdf, ComponentLink12URL=https://datasheet.ciiva.com/24124/aoa0000ce2-24124271.pdf, Composition="Thick Film", Contact Plating=Tin, Depth=0.8mm, Features="Automotive AEC-Q200", Height=0.45mm, Lead Free="Lead Free", Length=1.6mm, Military Standard=Not, Mount="Surface Mount", Number of Pins=2, Number of Terminations=2, Package Quantity=1, Packaging="Tape and Reel", Power Rating=100mW, Pricing 1="1=0.1, 10=0.079, 100=0.0323, 1000=0.01449, 2500=0.01258 (USD)", Radiation Hardening=No, REACH SVHC="No SVHC", Stock 1=965786, Supplier 1=Digi-Key, Termination=SMD/SMT, Voltage Rating (DC)=75V, Weight=7.1E-05oz, Width=0.031inch
R39: library part 1, "Chip Resistor", Case/Package=0603, Case Code (Metric)=1608, Manufacturer=Panasonic, Manufacturer Part Number=ERJ-3GEYJ103V, Max Operating Temperature=155°C, Max Power Dissipation=100mW, Min Operating Temperature=-55°C, Resistance=10k, Supplier Part Number 1=P10KGDKR-ND, Temperature Coefficient=200ppm/°C, Tolerance=5%, Voltage Rating=75V, Voltage Rating (DC)=50V, Case Code (Imperial)=0603, ComponentLink1Description=https://datasheet.ciiva.com/34303/2007265-34303757.pdf, ComponentLink1URL=https://datasheet.ciiva.com/34303/2007265-34303757.pdf, ComponentLink2Description=https://datasheet.ciiva.com/11809/0900766b80f806dd-11809566.pdf, ComponentLink2URL=https://datasheet.ciiva.com/11809/0900766b80f806dd-11809566.pdf, ComponentLink3Description=https://datasheet.ciiva.com/28514/1678796-28514213.pdf, ComponentLink3URL=https://datasheet.ciiva.com/28514/1678796-28514213.pdf, ComponentLink4Description=https://datasheet.ciiva.com/30147/4aoa0000ce1-30147029.pdf, ComponentLink4URL=https://datasheet.ciiva.com/30147/4aoa0000ce1-30147029.pdf, ComponentLink5Description=https://datasheet.ciiva.com/46371/1678796-46371909.pdf, ComponentLink5URL=https://datasheet.ciiva.com/46371/1678796-46371909.pdf, ComponentLink6Description=https://datasheet.ciiva.com/24133/aoa0000ce1-37422-24133064.pdf, ComponentLink6URL=https://datasheet.ciiva.com/24133/aoa0000ce1-37422-24133064.pdf, ComponentLink7Description=https://datasheet.ciiva.com/46385/1678796-46385240.pdf, ComponentLink7URL=https://datasheet.ciiva.com/46385/1678796-46385240.pdf, ComponentLink8Description=https://datasheet.ciiva.com/17212/aoa0000ce1-17212106.pdf, ComponentLink8URL=https://datasheet.ciiva.com/17212/aoa0000ce1-17212106.pdf, ComponentLink9Description=https://datasheet.ciiva.com/9117/aoa0000ce1-9117038.pdf, ComponentLink9URL=https://datasheet.ciiva.com/9117/aoa0000ce1-9117038.pdf, ComponentLink10Description=https://datasheet.ciiva.com/16740/aoa0000ce1-16740655.pdf, ComponentLink10URL=https://datasheet.ciiva.com/16740/aoa0000ce1-16740655.pdf, ComponentLink11Description=https://datasheet.ciiva.com/48531/aoa0000ce1-48531887.pdf, ComponentLink11URL=https://datasheet.ciiva.com/48531/aoa0000ce1-48531887.pdf, Composition="Thick Film", Contact Plating=Tin, Depth=0.8mm, Features="Automotive AEC-Q200", Height=0.45mm, Lead Free="Lead Free", Length=1.6mm, Military Standard=Not, Mount="Surface Mount", Number of Terminations=2, Package Quantity=1, Packaging="Tape and Reel", Power Rating=100mW, Pricing 1="1=0.1, 10=0.054, 100=0.022, 1000=0.00988, 2500=0.00858 (USD)", REACH SVHC="No SVHC", Stock 1=10740434, Supplier 1=Digi-Key, Termination=SMD/SMT, Weight=7.1E-05oz, Width=0.8mm, Working Voltage=75V